# Altium PCB ToucanEyePCB.PcbDoc (part 2 of 5)
Units mil, origin at the board's own origin, x right, y up, seen from the top; angles counter-clockwise.
Board outline 2559.06 x 1181.1 mil, 6 copper layers (L1_Top Layer, L2_GND, L3_Signa1, L4_PWR/Signal2, L5_GND, L6_Bottom Layer), stack 35.685 mil thick; 187 components, 181 nets, 773 pads, 479 vias.
Unrouted connection lines stored in the file: 150.
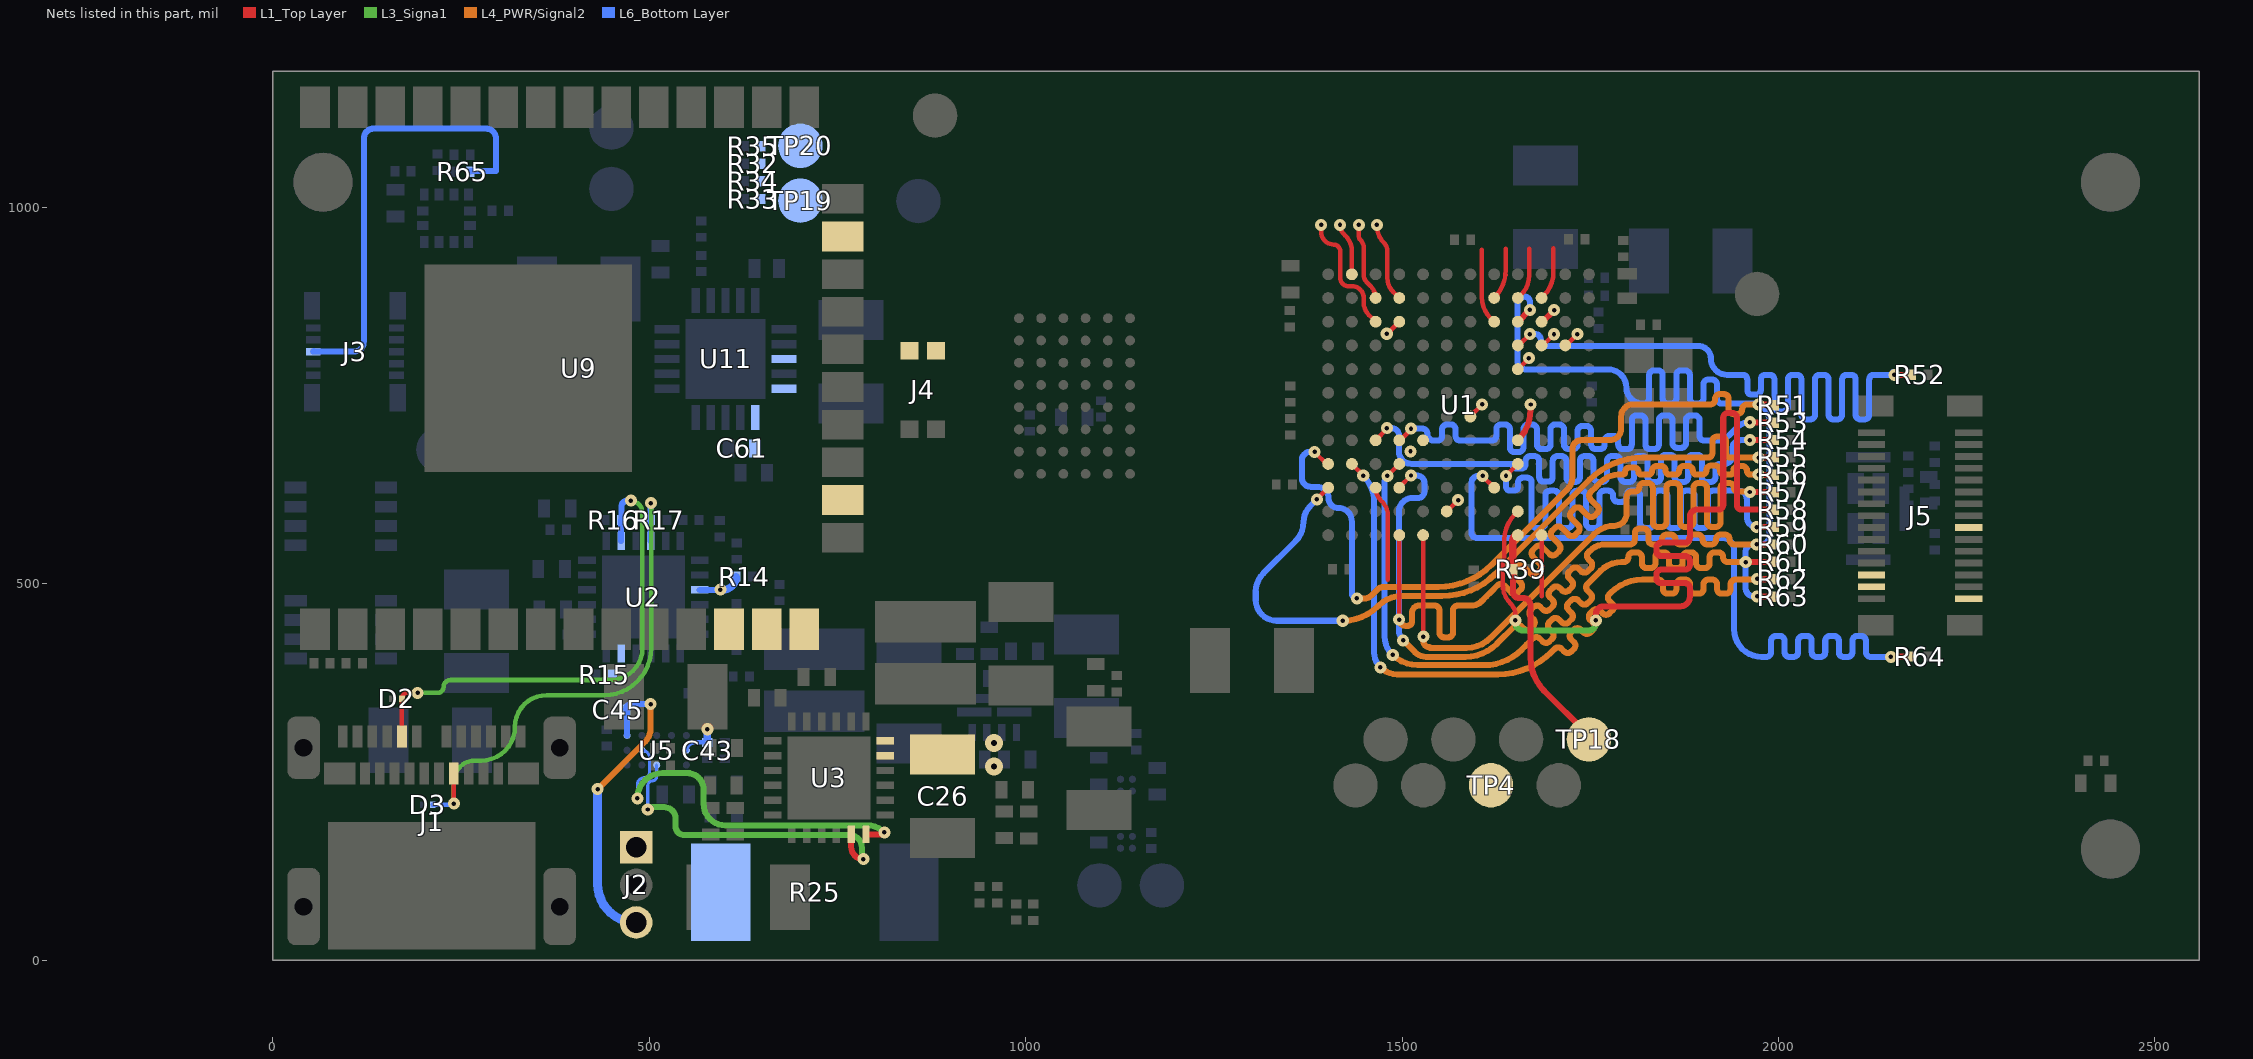
[diagram p6: the nets of this part, all layers, seen from the top]

## Part data (continued)
R5 R6 R8 R9 R10 R11 R12 R13 R14 R15 R30 R31 R36 R40 R41 R42 R43: "RESISTOR, 0201, 0.05W, 1%, 10K", Case/Package=0201, Case Code (Metric)=0603, Manufacturer="Panasonic ECG", Manufacturer Part Number=ERJ-1GNF1002C, Max Operating Temperature=125°C, Max Power Dissipation=50mW, Min Operating Temperature=-55°C, Package Quantity=15000, Resistance=10kR, Supplier Part Number 1=667-ERJ-1GNF1002C, Temperature Coefficient=200ppm/°C, Tolerance=1%, Voltage Rating=25V, *PCBChecked=1, *SCHChecked=1, Case Code (Imperial)=0201, ComponentLink1Description=https://datasheet.ciiva.com/16508/aoa0000ce2-16508478.pdf, ComponentLink1URL=https://datasheet.ciiva.com/16508/aoa0000ce2-16508478.pdf, ComponentLink2Description=https://datasheet.ciiva.com/28514/1678782-28514095.pdf, ComponentLink2URL=https://datasheet.ciiva.com/28514/1678782-28514095.pdf, ComponentLink3Description=https://datasheet.ciiva.com/28514/1678782-28514085.pdf, ComponentLink3URL=https://datasheet.ciiva.com/28514/1678782-28514085.pdf, ComponentLink4Description=https://datasheet.ciiva.com/43467/1678782-43467078.pdf, ComponentLink4URL=https://datasheet.ciiva.com/43467/1678782-43467078.pdf, Composition="Thick Film", Contact Plating=Tin,Matte, Depth=0.3mm, Height=0.01inch, Lead Free="Lead Free", Length=0.6mm, Military Standard=Not, Mount="Surface Mount", Number of Pins=2, Number of Terminations=2, Packaging="Tape and Reel", Power Rating=50mW, Pricing 1="1=0.49, 10=0.045, 50=0.045, 100=0.018, 1000=0.013, 10000=0.007 (USD)", Radiation Hardening=No, REACH SVHC=Unknown, Stock 1=896102, Supplier 1=Mouser, Voltage Rating (DC)=25V, Width=0.012inch
R7 R18 R19 R24: "RESISTOR, 0201, 0.05W, 1%, 1K", Case/Package=0201, Case Code (Metric)=0603, Manufacturer="Panasonic ECG", Manufacturer Part Number=ERJ-1GNF1001C, Max Operating Temperature=125°C, Max Power Dissipation=50mW, Min Operating Temperature=-55°C, Package Quantity=15000, Resistance=1kR, Supplier Part Number 1=667-ERJ-1GNF1001C, Temperature Coefficient=200ppm/°C, Tolerance=1%, Voltage Rating=25V, *PCBChecked=1, *SCHChecked=1, Case Code (Imperial)=0201, ComponentLink1Description=https://datasheet.ciiva.com/30263/aoa0000ce2-30263997.pdf, ComponentLink1URL=https://datasheet.ciiva.com/30263/aoa0000ce2-30263997.pdf, ComponentLink2Description=https://datasheet.ciiva.com/28532/1678782-28532076.pdf, ComponentLink2URL=https://datasheet.ciiva.com/28532/1678782-28532076.pdf, ComponentLink3Description=https://datasheet.ciiva.com/43467/1678782-43467054.pdf, ComponentLink3URL=https://datasheet.ciiva.com/43467/1678782-43467054.pdf, ComponentLink4Description=https://datasheet.ciiva.com/15821/erj1gn-15821006.pdf, ComponentLink4URL=https://datasheet.ciiva.com/15821/erj1gn-15821006.pdf, ComponentLink5Description=https://datasheet.ciiva.com/7942/aoa0000ce2-7942424.pdf, ComponentLink5URL=https://datasheet.ciiva.com/7942/aoa0000ce2-7942424.pdf, ComponentLink6Description=https://datasheet.ciiva.com/16437/aoa0000ce2-16437749.pdf, ComponentLink6URL=https://datasheet.ciiva.com/16437/aoa0000ce2-16437749.pdf, ComponentLink7Description=https://datasheet.ciiva.com/24160/aoa0000ce2-24160460.pdf, ComponentLink7URL=https://datasheet.ciiva.com/24160/aoa0000ce2-24160460.pdf, ComponentLink8Description=https://datasheet.ciiva.com/46375/1678782-46375611.pdf, ComponentLink8URL=https://datasheet.ciiva.com/46375/1678782-46375611.pdf, Composition="Thick Film", Contact Plating=Tin,Matte, Height=0.01inch, Lead Free="Lead Free", Length=0.6mm, Mount="Surface Mount", Number of Pins=2, Number of Terminations=2, Packaging="Tape and Reel", Power Rating=50mW, Pricing 1="1=0.43, 10=0.039, 50=0.039, 100=0.016, 1000=0.011, 10000=0.006 (USD)", Radiation Hardening=No, REACH SVHC=Unknown, Stock 1=193064, Supplier 1=Mouser, Termination=SMD/SMT, Voltage Rating (DC)=25V, Weight=6E-06oz, Width=0.012inch
R16 R17 R34 R35 R66: "RES SMD 0.0OHM JUMPER 1/20W 0201", Case/Package=0201, Case Code (Metric)=0603, Manufacturer=Panasonic, Manufacturer Part Number=ERJ-1GN0R00C, Max Operating Temperature=125°C, Min Operating Temperature=-55°C, Package Quantity=15000, Power Rating=50mW, Resistance=0R, Supplier Part Number 1=667-ERJ-1GN0R00C, Temperature Coefficient=600ppm/°C, Tolerance=1%, Voltage Rating=25V, *PCBChecked=1, *SCHChecked=1, Case Code (Imperial)=0201, ComponentLink1Description=https://datasheet.ciiva.com/22730/1678796-22730749.pdf, ComponentLink1URL=https://datasheet.ciiva.com/22730/1678796-22730749.pdf, Composition="Thick Film", Contact Plating=Tin, Depth=0.3mm, Height=0.23mm, Lead Free="Lead Free", Length=0.6mm, Military Standard=Not, Mount="Surface Mount", Packaging="Tape and Reel", Pricing 1="1=0.21, 10=0.02, 50=0.02, 100=0.008, 1000=0.005, 10000=0.003 (USD)", REACH SVHC=Unknown, Stock 1=835293, Supplier 1=Mouser, Voltage Rating (DC)=25V, Width=0.3mm
R22: "RESISTOR, THICK FILM, 0402, 1.8MOHM, 5%, 100mW", Case/Package=0402, Case Code (Metric)=1005, Manufacturer="Panasonic ECG", Manufacturer Part Number=ERJ-2GEJ185X, Max Operating Temperature=155°C, Max Power Dissipation=100mW, Min Operating Temperature=-55°C, Package Quantity=1, Resistance=1.8MR, Supplier Part Number 1=667-ERJ-2GEJ185X, Temperature Coefficient=150ppm/°C, Tolerance=5%, Voltage Rating=50V, *PCBChecked=1, *SCHChecked=1, Case Code (Imperial)=0402, ComponentLink1Description=https://datasheet.ciiva.com/8080/aoa0000ce1-8080140.pdf, ComponentLink1URL=https://datasheet.ciiva.com/8080/aoa0000ce1-8080140.pdf, ComponentLink2Description=https://datasheet.ciiva.com/9119/aoa0000ce1-9119071.pdf, ComponentLink2URL=https://datasheet.ciiva.com/9119/aoa0000ce1-9119071.pdf, ComponentLink3Description=https://datasheet.ciiva.com/9197/aoa0000ce1-9197631.pdf, ComponentLink3URL=https://datasheet.ciiva.com/9197/aoa0000ce1-9197631.pdf, ComponentLink4Description=https://datasheet.ciiva.com/30218/4aoa0000ce1-30218742.pdf, ComponentLink4URL=https://datasheet.ciiva.com/30218/4aoa0000ce1-30218742.pdf, ComponentLink5Description=https://datasheet.ciiva.com/43470/1678796-43470038.pdf, ComponentLink5URL=https://datasheet.ciiva.com/43470/1678796-43470038.pdf, ComponentLink6Description=https://datasheet.ciiva.com/46379/1678796-46379142.pdf, ComponentLink6URL=https://datasheet.ciiva.com/46379/1678796-46379142.pdf, Composition="Thick Film", Contact Plating=Tin, Depth=0.5mm, Height=0.016inch, Length=1mm, Military Standard=Not, Mount="Surface Mount", Number of Terminations=2, Packaging="Cut Tape", Power Rating=100mW, Pricing 1="1=0.1, 10=0.015, 50=0.015, 100=0.009, 1000=0.006, 10000=0.004 (USD)", Radiation Hardening=No, REACH SVHC="No SVHC", Stock 1=75539, Supplier 1=Mouser, Voltage Rating (DC)=50V, Width=0.02inch
R23: "RESISTOR, THICK FILM, 18.2KOHM, 100mW, ± 1%", Case/Package=0402, Case Code (Metric)=1005, Manufacturer="Panasonic ECG", Manufacturer Part Number=ERJ-2RKF1822X, Max Operating Temperature=155°C, Max Power Dissipation=100mW, Min Operating Temperature=-55°C, Package Quantity=1, Resistance=18.2kR, Supplier Part Number 1=667-ERJ-2RKF1822X, Temperature Coefficient=100ppm/°C, Tolerance=1%, Voltage Rating=50V, *PCBChecked=1, *SCHChecked=1, Case Code (Imperial)=0402, ComponentLink1Description=https://datasheet.ciiva.com/22682/1678782-22682442.pdf, ComponentLink1URL=https://datasheet.ciiva.com/22682/1678782-22682442.pdf, ComponentLink2Description=https://datasheet.ciiva.com/16765/70260748-16765144.pdf, ComponentLink2URL=https://datasheet.ciiva.com/16765/70260748-16765144.pdf, ComponentLink3Description=https://datasheet.ciiva.com/24026/aoa0000ce2-24026892.pdf, ComponentLink3URL=https://datasheet.ciiva.com/24026/aoa0000ce2-24026892.pdf, ComponentLink4Description=https://datasheet.ciiva.com/43467/1678782-43467421.pdf, ComponentLink4URL=https://datasheet.ciiva.com/43467/1678782-43467421.pdf, ComponentLink5Description=https://datasheet.ciiva.com/16785/70260748-16785165.pdf, ComponentLink5URL=https://datasheet.ciiva.com/16785/70260748-16785165.pdf, ComponentLink6Description=https://datasheet.ciiva.com/7829/1678782-7829303.pdf, ComponentLink6URL=https://datasheet.ciiva.com/7829/1678782-7829303.pdf, ComponentLink7Description=https://datasheet.ciiva.com/46373/1678782-46373814.pdf, ComponentLink7URL=https://datasheet.ciiva.com/46373/1678782-46373814.pdf, ComponentLink8Description=https://datasheet.ciiva.com/9192/aoa0000ce2-9192375.pdf, ComponentLink8URL=https://datasheet.ciiva.com/9192/aoa0000ce2-9192375.pdf, ComponentLink9Description=https://datasheet.ciiva.com/46373/1678782-46373815.pdf, ComponentLink9URL=https://datasheet.ciiva.com/46373/1678782-46373815.pdf, ComponentLink10Description=https://datasheet.ciiva.com/28531/1694929-28531495.pdf, ComponentLink10URL=https://datasheet.ciiva.com/28531/1694929-28531495.pdf, Composition="Thick Film", Contact Plating=Tin, Depth=0.5mm, Height=0.016inch, Lead Free="Lead Free", Length=1mm, Military Standard=Not, Mount="Surface Mount", Number of Terminations=2, Packaging="Tape and Reel", Power Rating=100mW, Pricing 1="1=0.15, 10=0.021, 50=0.021, 100=0.012, 1000=0.007, 10000=0.006 (USD)", REACH SVHC="No SVHC", Stock 1=120784, Supplier 1=Mouser, Termination=SMD/SMT, Voltage Rating (DC)=50V, Width=0.02inch
R25: "WALSIN         WW25RR010FTL             SMD Current Sense Resistor, 0.01 ohm, 2512 [6432 Metric], 2 W,  1%, WW25R Series", Case Code (Imperial)=2512, Case Code (Metric)=6432, Manufacturer="Walsin Technologies", Manufacturer Part Number=WW25RR010FTL, Power Rating=2W, Resistance=10mR, Temperature Coefficient=75ppm/°C, Tolerance=1%, *PCBChecked=1, *SCHChecked=1, ComponentLink1Description=http://www.farnell.com/datasheets/1960328.pdf, ComponentLink1URL=http://www.farnell.com/datasheets/1960328.pdf, Composition="Metal Strip", Packaging="Cut Tape", Pricing 1="5=0.2318, 25=0.2073, 100=0.1705, 1000=0.1582, 4000=0.1337 (USD)", REACH SVHC=Unknown, Stock 1=8495, Supplier 1=TME, Supplier Part Number 1=WW25RR010FTL
R26: "Res Thick Film 0402 274K Ohm 1% 0.1W(1/10W) ±100ppm/C Molded SMD Automotive Punched T/R", Case/Package=0402, Case Code (Metric)=1005, Manufacturer="Panasonic ECG", Manufacturer Part Number=ERJ-2RKF2743X, Max Operating Temperature=155°C, Max Power Dissipation=100mW, Min Operating Temperature=-55°C, Package Quantity=1, Resistance=274kR, Supplier Part Number 1=667-ERJ-2RKF2743X, Temperature Coefficient=100ppm/°C, Tolerance=1%, Voltage Rating=50V, Case Code (Imperial)=0402, ComponentLink1Description=https://datasheet.ciiva.com/16766/70260748-16766893.pdf, ComponentLink1URL=https://datasheet.ciiva.com/16766/70260748-16766893.pdf, ComponentLink2Description=https://datasheet.ciiva.com/7853/aoa0000ce2-7853692.pdf, ComponentLink2URL=https://datasheet.ciiva.com/7853/aoa0000ce2-7853692.pdf, ComponentLink3Description=https://datasheet.ciiva.com/43467/1678782-43467519.pdf, ComponentLink3URL=https://datasheet.ciiva.com/43467/1678782-43467519.pdf, ComponentLink4Description=https://datasheet.ciiva.com/24023/aoa0000ce2-24023838.pdf, ComponentLink4URL=https://datasheet.ciiva.com/24023/aoa0000ce2-24023838.pdf, ComponentLink5Description=https://datasheet.ciiva.com/30072/aoa0000ce2-30072587.pdf, ComponentLink5URL=https://datasheet.ciiva.com/30072/aoa0000ce2-30072587.pdf, ComponentLink6Description=https://datasheet.ciiva.com/46373/1678782-46373237.pdf, ComponentLink6URL=https://datasheet.ciiva.com/46373/1678782-46373237.pdf, ComponentLink7Description=https://datasheet.ciiva.com/16772/70260748-16772533.pdf, ComponentLink7URL=https://datasheet.ciiva.com/16772/70260748-16772533.pdf, ComponentLink8Description=https://datasheet.ciiva.com/9183/aoa0000ce2-9183531.pdf, ComponentLink8URL=https://datasheet.ciiva.com/9183/aoa0000ce2-9183531.pdf, ComponentLink9Description=https://datasheet.ciiva.com/22673/1678782-22673766.pdf, ComponentLink9URL=https://datasheet.ciiva.com/22673/1678782-22673766.pdf, Composition="Thick Film", Contact Plating=Tin, Depth=0.5mm, Height=0.35mm, Lead Free="Lead Free", Length=1mm, Military Standard=Not, Mount="Surface Mount", Number of Terminations=2, Packaging="Tape and Reel", Power Rating=100mW, Pricing 1="1=0.15, 10=0.021, 50=0.021, 100=0.012, 1000=0.007, 10000=0.006 (USD)", REACH SVHC="No SVHC", Stock 1=108759, Supplier 1=Mouser, Termination=SMD/SMT, Voltage Rating (DC)=50V, Width=0.02inch
R28: "Res Thick Film 0402 124 Ohm 1% 0.1W(1/10W) ±100ppm/C Molded SMD Automotive Punched T/R", Case/Package=0402, Case Code (Metric)=1005, Manufacturer="Panasonic ECG", Manufacturer Part Number=ERJ-2RKF1240X, Max Operating Temperature=155°C, Max Power Dissipation=100mW, Min Operating Temperature=-55°C, Package Quantity=1, Resistance=124R, Supplier Part Number 1=667-ERJ-2RKF1240X, Temperature Coefficient=100ppm/°C, Tolerance=1%, Voltage Rating=50V, *PCBChecked=1, *SCHChecked=1, Case Code (Imperial)=0402, ComponentLink1Description=https://datasheet.ciiva.com/22682/1678782-22682424.pdf, ComponentLink1URL=https://datasheet.ciiva.com/22682/1678782-22682424.pdf, ComponentLink2Description=https://datasheet.ciiva.com/7942/aoa0000ce2-7942344.pdf, ComponentLink2URL=https://datasheet.ciiva.com/7942/aoa0000ce2-7942344.pdf, ComponentLink3Description=https://datasheet.ciiva.com/43467/1678782-43467230.pdf, ComponentLink3URL=https://datasheet.ciiva.com/43467/1678782-43467230.pdf, ComponentLink4Description=https://datasheet.ciiva.com/16765/70260748-16765596.pdf, ComponentLink4URL=https://datasheet.ciiva.com/16765/70260748-16765596.pdf, ComponentLink5Description=https://datasheet.ciiva.com/46373/1678782-46373831.pdf, ComponentLink5URL=https://datasheet.ciiva.com/46373/1678782-46373831.pdf, ComponentLink6Description=https://datasheet.ciiva.com/46373/1678782-46373830.pdf, ComponentLink6URL=https://datasheet.ciiva.com/46373/1678782-46373830.pdf, ComponentLink7Description=https://datasheet.ciiva.com/9186/aoa0000ce2-9186053.pdf, ComponentLink7URL=https://datasheet.ciiva.com/9186/aoa0000ce2-9186053.pdf, ComponentLink8Description=https://datasheet.ciiva.com/30058/aoa0000ce2-30058295.pdf, ComponentLink8URL=https://datasheet.ciiva.com/30058/aoa0000ce2-30058295.pdf, ComponentLink9Description=https://datasheet.ciiva.com/16764/70260748-16764375.pdf, ComponentLink9URL=https://datasheet.ciiva.com/16764/70260748-16764375.pdf, Composition="Thick Film", Contact Plating=Tin, Depth=0.5mm, Height=0.35mm, Lead Free="Lead Free", Length=1mm, Military Standard=Not, Mount="Surface Mount", Number of Terminations=2, Packaging="Tape and Reel", Power Rating=100mW, Pricing 1="1=0.15, 10=0.021, 50=0.021, 100=0.012, 1000=0.007, 10000=0.006 (USD)", REACH SVHC=Unknown, Stock 1=58450, Supplier 1=Mouser, Termination=SMD/SMT, Voltage Rating (DC)=50V, Width=0.02inch
R37: "Thick Film Resistors - SMD 0201 88.7Kohm 1% Halogen Free", Case/Package=0201, Case Code (Metric)=0603, Manufacturer="Panasonic ECG", Manufacturer Part Number=ERJ-1GNF8872C, Max Operating Temperature=125°C, Max Power Dissipation=50mW, Min Operating Temperature=-55°C, Package Quantity=15000, Resistance=88.7kR, Supplier Part Number 1=667-ERJ-1GNF8872C, Temperature Coefficient=200ppm/°C, Tolerance=1%, Voltage Rating=25V, *PCBChecked=1, *SCHChecked=1, Case Code (Imperial)=0201, ComponentLink1Description=https://datasheet.ciiva.com/24026/aoa0000ce2-24026679.pdf, ComponentLink1URL=https://datasheet.ciiva.com/24026/aoa0000ce2-24026679.pdf, Composition="Thick Film", Contact Plating=Tin,Matte, Height=0.01inch, Length=0.024inch, Mount="Surface Mount", Number of Terminations=2, Packaging="Tape and Reel", Power Rating=50mW, Pricing 1="1=0.49, 10=0.045, 50=0.045, 100=0.018, 1000=0.013, 10000=0.007 (USD)", Radiation Hardening=No, Stock 1=34794, Supplier 1=Mouser, Width=0.3mm
R38: "Res Thick Film 0201 453K Ohm 1% 0.05W(1/20W) ±200ppm/C Molded SMD Paper T/R", Case/Package=0201, Case Code (Metric)=0603, Manufacturer=Yageo, Manufacturer Part Number=RC0201FR-07453KL, Max Operating Temperature=125°C, Max Power Dissipation=50mW, Min Operating Temperature=-55°C, Resistance=453kR, Supplier Part Number 1=603-RC0201FR-07453KL, Temperature Coefficient=200ppm/°C, Tolerance=1%, *PCBChecked=1, *SCHChecked=1, Case Code (Imperial)=0201, ComponentLink1Description=http://components.arrow.com/part/dataview/0323_03291826, ComponentLink1URL=http://components.arrow.com/part/dataview/0323_03291826, ComponentLink2Description=http://www.yageo.com.tw/exep/pages/download/literatures/PYu-R_INT-thick_7.pdf, ComponentLink2URL=http://www.yageo.com.tw/exep/pages/download/literatures/PYu-R_INT-thick_7.pdf, ComponentLink3Description=http://www.yageo.com/documents/recent/PYu-RC0201_51_RoHS_L_(8).pdf, ComponentLink3URL=http://www.yageo.com/documents/recent/PYu-RC0201_51_RoHS_L_(8).pdf, Composition="Thick Film", Depth=0.3mm, Height=0.01inch, Lead Free="Lead Free", Length=0.024inch, Military Standard=Not, Number of Terminations=2, Packaging="Tape and Reel", Power Rating=50mW, Pricing 1="1=0.1, 10=0.029, 50=0.029, 100=0.01, 1000=0.007, 10000=0.004 (USD)", Stock 1=21967, Supplier 1=Mouser, Width=0.012inch
R39: "RES SMD 100K OHM 5% 1/20W 0201", Case/Package=0201, Case Code (Metric)=0603, Manufacturer="Vishay Dale", Manufacturer Part Number=CRCW0201100KJN-ED, Max Operating Temperature=155°C, Max Power Dissipation=50mW, Min Operating Temperature=-55°C, Package Quantity=1, Resistance=100kR, Supplier Part Number 1=71-CRCW0201100KJNED, Temperature Coefficient=200ppm/°C, Tolerance=5%, Voltage Rating=30V, *PCBChecked=1, *SCHChecked=1, Case Code (Imperial)=0201, ComponentLink1Description=https://datasheet.ciiva.com/2498/crcw0201e3-2498781.pdf, ComponentLink1URL=https://datasheet.ciiva.com/2498/crcw0201e3-2498781.pdf, ComponentLink2Description=https://datasheet.ciiva.com/16436/dcrcwe3-16436221.pdf, ComponentLink2URL=https://datasheet.ciiva.com/16436/dcrcwe3-16436221.pdf, ComponentLink3Description=https://datasheet.ciiva.com/2498/crcw0201e3-2498779.pdf, ComponentLink3URL=https://datasheet.ciiva.com/2498/crcw0201e3-2498779.pdf, ComponentLink4Description=https://datasheet.ciiva.com/2498/crcw0201e3-2498780.pdf, ComponentLink4URL=https://datasheet.ciiva.com/2498/crcw0201e3-2498780.pdf, Composition="Thick Film", Contact Plating=Tin, Depth=0.3mm, Height=0.011inch, Lead Free="Lead Free", Length=0.6mm, Military Standard=Not, Number of Pins=2, Number of Terminations=2, Packaging="Tape and Reel", Power Rating=50mW, Pricing 1="1=0.13, 10=0.063, 50=0.063, 100=0.028, 1000=0.017, 10000=0.013 (USD)", Radiation Hardening=No, REACH SVHC=Unknown, Stock 1=126286, Supplier 1=Mouser, Voltage Rating (DC)=30V, Weight=6E-06oz, Width=0.3mm
R49: "RESISTOR, 0201, 0.05W, 1%, 100R", Case/Package=0201, Case Code (Metric)=0603, Manufacturer="Panasonic ECG", Manufacturer Part Number=ERJ-1GNF1000C, Max Operating Temperature=125°C, Max Power Dissipation=50mW, Min Operating Temperature=-55°C, Package Quantity=15000, Resistance=100R, Supplier Part Number 1=667-ERJ-1GNF1000C, Temperature Coefficient=200ppm/°C, Tolerance=1%, Voltage Rating=25V, Case Code (Imperial)=0201, ComponentLink1Description=https://datasheet.ciiva.com/28514/1678782-28514079.pdf, ComponentLink1URL=https://datasheet.ciiva.com/28514/1678782-28514079.pdf, ComponentLink2Description=https://datasheet.ciiva.com/24162/aoa0000ce2-24162875.pdf, ComponentLink2URL=https://datasheet.ciiva.com/24162/aoa0000ce2-24162875.pdf, ComponentLink3Description=https://datasheet.ciiva.com/43467/1678782-43467030.pdf, ComponentLink3URL=https://datasheet.ciiva.com/43467/1678782-43467030.pdf, Composition="Thick Film", Contact Plating=Tin,Matte, Depth=0.3mm, Height=0.01inch, Lead Free="Lead Free", Length=0.6mm, Military Standard=Not, Mount="Surface Mount", Number of Pins=2, Number of Terminations=2, Packaging="Tape and Reel", Power Rating=50mW, Pricing 1="1=0.49, 10=0.045, 50=0.045, 100=0.018, 1000=0.013, 10000=0.007 (USD)", Radiation Hardening=No, REACH SVHC="No SVHC", Stock 1=169245, Supplier 1=Mouser, Termination=SMD/SMT, Voltage Rating (DC)=25V, Weight=6E-06oz, Width=0.012inch
R51 R52 R53 R54 R55 R56 R57 R58 R59 R60 R61 R62 R63 R64: "RESISTOR, 0201, 0.05W, 1%, 22R", Case/Package=0201, Case Code (Metric)=0603, Manufacturer="Panasonic ECG", Manufacturer Part Number=ERJ-1GNF22R0C, Max Operating Temperature=125°C, Max Power Dissipation=50mW, Min Operating Temperature=-55°C, Package Quantity=15000, Resistance=22R, Supplier Part Number 1=667-ERJ-1GNF22R0C, Temperature Coefficient=200ppm/°C, Tolerance=1%, Voltage Rating=25V, *PCBChecked=1, *SCHChecked=1, Case Code (Imperial)=0201, ComponentLink1Description=https://datasheet.ciiva.com/22737/1678782-22737559.pdf, ComponentLink1URL=https://datasheet.ciiva.com/22737/1678782-22737559.pdf, ComponentLink2Description=https://datasheet.ciiva.com/24023/aoa0000ce2-24023549.pdf, ComponentLink2URL=https://datasheet.ciiva.com/24023/aoa0000ce2-24023549.pdf, ComponentLink3Description=https://datasheet.ciiva.com/46375/1678782-46375727.pdf, ComponentLink3URL=https://datasheet.ciiva.com/46375/1678782-46375727.pdf, ComponentLink4Description=https://datasheet.ciiva.com/22737/1678782-22737558.pdf, ComponentLink4URL=https://datasheet.ciiva.com/22737/1678782-22737558.pdf, ComponentLink5Description=https://datasheet.ciiva.com/43467/1678782-43467014.pdf, ComponentLink5URL=https://datasheet.ciiva.com/43467/1678782-43467014.pdf, ComponentLink6Description=https://datasheet.ciiva.com/7909/aoa0000ce2-7909159.pdf, ComponentLink6URL=https://datasheet.ciiva.com/7909/aoa0000ce2-7909159.pdf, Composition="Thick Film", Height=0.01inch, Length=0.6mm, Mount="Surface Mount", Number of Pins=2, Number of Terminations=2, Packaging="Tape and Reel", Power Rating=50mW, Pricing 1="1=0.49, 10=0.045, 50=0.045, 100=0.018, 1000=0.013, 10000=0.007 (USD)", Radiation Hardening=No, REACH SVHC="No SVHC", Stock 1=64894, Supplier 1=Mouser, Voltage Rating (DC)=25V, Width=0.012inch
U2: Manufacturer=STMicroelectronics, Supplier Part Number 1=511-STUSB1602AQTR, *PCBChecked=1, *SCHChecked=1, Manufacturer Part Number=STUSB1602AQTR, Pricing 1="1=2.21, 10=1.88, 50=1.88, 100=1.5, 1000=1.09, 10000=0.976 (USD)", Stock 1=495, Supplier 1=Mouser
U3: "IC BATT CHARGER LI-ION 24VQFN", Case/Package=VQFN, Manufacturer="Texas Instruments", Max Operating Temperature=85°C, Max Output Current=4A, Max Output Voltage=4.2V, Max Supply Voltage=10.5V, Min Operating Temperature=-40°C, Min Supply Voltage=4.35V, Operating Supply Current=2A, Output Voltage=4.44V, Package Quantity=250, Supplier Part Number 1=595-BQ24250RGET, Switching Frequency=3kHz, ComponentLink1Description=https://datasheet.ciiva.com/18617/bq24250-18617532.pdf, ComponentLink1URL=https://datasheet.ciiva.com/18617/bq24250-18617532.pdf, ComponentLink2Description=https://datasheet.ciiva.com/30017/bq24250-30017517.pdf, ComponentLink2URL=https://datasheet.ciiva.com/30017/bq24250-30017517.pdf, ComponentLink3Description=https://datasheet.ciiva.com/18617/bq24250-18617531.pdf, ComponentLink3URL=https://datasheet.ciiva.com/18617/bq24250-18617531.pdf, ComponentLink4Description=https://datasheet.ciiva.com/30017/bq24250-30017529.pdf, ComponentLink4URL=https://datasheet.ciiva.com/30017/bq24250-30017529.pdf, ComponentLink5Description=https://datasheet.ciiva.com/18617/bq24250-18617530.pdf, ComponentLink5URL=https://datasheet.ciiva.com/18617/bq24250-18617530.pdf, Contact Plating=Nickel,Gold, Height=0.95mm, Lead Free="Lead Free", Length=4.15mm, Manufacturer Part Number=BQ24250RGET, Mount="Surface Mount", Number of Cells=1, Number of Pins=24, Output Current=2A, Packaging="Tape and Reel", Pricing 1="1=3.35, 10=3.02, 50=3.02, 100=2.47, 1000=1.78, 10000=1.69 (USD)", Radiation Hardening=No, Stock 1=3414, Supplier 1=Mouser, Width=4.15mm
U4: "TEXAS INSTRUMENTS         TPS62097RWKT             DC-DC Switching Buck (Step Down) Regulator, Adj., 2.5V-6Vin, 800mV-6V/2A out, 2.5 MHz, VQFN-11", Manufacturer="Texas Instruments", Max Input Voltage=6V, Max Operating Temperature=125°C, Min Input Voltage=2.5V, Min Operating Temperature=-40°C, Min Output Voltage=800mV, Output Current=2A, Quiescent Current=40uA, Supplier Part Number 1=595-TPS62097RWKT, Switching Frequency=2.5MHz, *PCBChecked=1, *SCHChecked=1, ComponentLink1Description=http://www.ti.com/general/docs/lit/getliterature.tsp?genericPartNumber=TPS62097&&fileType=pdf, ComponentLink1URL=http://www.ti.com/general/docs/lit/getliterature.tsp?genericPartNumber=TPS62097&&fileType=pdf, ComponentLink2Description=http://www.ti.com/lit/gpn/tps62097, ComponentLink2URL=http://www.ti.com/lit/gpn/tps62097, ComponentLink3Description=http://www.ti.com/lit/ds/symlink/tps62097.pdf, ComponentLink3URL=http://www.ti.com/lit/ds/symlink/tps62097.pdf, Lead Free="Lead Free", Manufacturer Part Number=TPS62097RWKT, Max Output Voltage=6V, Mount="Surface Mount", Number of Outputs=1, Number of Pins=11, Output Voltage=6V, Packaging="Cut Tape", Pricing 1="1=2.21, 10=1.88, 50=1.88, 100=1.5, 1000=1.09, 10000=0.974 (USD)", REACH SVHC="No SVHC", Stock 1=2062, Supplier 1=Mouser, Synchronous Rectifier=Yes
U5: "TEXAS INSTRUMENTS         BQ27532YZFT-G1             BATT GAS GAUGE & CTRL, LI-ION, DSBGA-15", Capacity=14500mAh, Manufacturer="Texas Instruments", Max Operating Temperature=85°C, Max Supply Voltage=4.5V, Min Operating Temperature=-40°C, Min Supply Voltage=2.8V, Operating Supply Current=118uA, Output Voltage=2.6V, Package Quantity=250, Supplier Part Number 1=595-BQ27532YZFT-G1, *PCBChecked=1, *SCHChecked=1, ComponentLink1Description=http://www.ti.com/lit/ds/symlink/bq27532-g1.pdf, ComponentLink1URL=http://www.ti.com/lit/ds/symlink/bq27532-g1.pdf, ComponentLink2Description=http://www.ti.com/general/docs/lit/getliterature.tsp?genericPartNumber=BQ27532-G1&&fileType=pdf, ComponentLink2URL=http://www.ti.com/general/docs/lit/getliterature.tsp?genericPartNumber=BQ27532-G1&&fileType=pdf, ComponentLink3Description=http://www.ti.com/general/docs/lit/getliterature.tsp?genericPartNumber=BQ27532-G1&amp;&amp;fileType=pdf, ComponentLink3URL=http://www.ti.com/general/docs/lit/getliterature.tsp?genericPartNumber=BQ27532-G1&amp;&amp;fileType=pdf, ComponentLink4Description=http://www.ti.com/lit/gpn/bq27532-g1, ComponentLink4URL=http://www.ti.com/lit/gpn/bq27532-g1, Contact Plating=Copper,Tin,Silver, Interface=I2C, Lead Free="Lead Free", Manufacturer Part Number=BQ27532YZFT-G1, Mount="Surface Mount", Number of Cells=1, Number of Pins=15, Packaging="Tape and Reel", Pricing 1="1=3.26, 10=2.93, 50=2.93, 100=2.4, 1000=1.73, 10000=1.58 (USD)", REACH SVHC="No SVHC", Stock 1=455, Supplier 1=Mouser
U6: Dropout Voltage=220mV, Manufacturer="Texas Instruments", Max Operating Temperature=125°C, Min Operating Temperature=-40°C, Quiescent Current=30uA, Supplier Part Number 1=595-TLV70533PYFPR, *SCHChecked=1, Lead Free="Lead Free", Manufacturer Part Number=TLV70533PYFPR, Pricing 1="1=0.54, 10=0.445, 50=0.445, 100=0.271, 1000=0.21, 10000=0.167 (USD)", Stock 1=2718, Supplier 1=Mouser
U7: "TVS DIODE 5.25VWM 17VC SOT666", Breakdown Voltage=6V, Capacitance=3.5pF, Case/Package=SOT-666, Clamping Voltage=17V, Leakage Current=150nA, Manufacturer=STMicroelectronics, Max Operating Temperature=125°C, Min Operating Temperature=-40°C, Operating Supply Voltage=5V, Package Quantity=1, Peak Pulse Current=5A, Power Line Protection=Yes, Supplier Part Number 1=511-USBLC6-2P6, Test Current=1mA, *PCBChecked=1, *SCHChecked=1, ComponentLink1Description=https://datasheet.ciiva.com/15143/getdatasheetpartid-98673-15143462.pdf, ComponentLink1URL=https://datasheet.ciiva.com/15143/getdatasheetpartid-98673-15143462.pdf, ComponentLink2Description=https://datasheet.ciiva.com/14186/usblc6-2-st-eng-tds-14186568.pdf, ComponentLink2URL=https://datasheet.ciiva.com/14186/usblc6-2-st-eng-tds-14186568.pdf, ComponentLink3Description=https://datasheet.ciiva.com/16378/cd00050750-16378714.pdf, ComponentLink3URL=https://datasheet.ciiva.com/16378/cd00050750-16378714.pdf, ComponentLink4Description=https://datasheet.ciiva.com/4508/cd00050750-4508892.pdf, ComponentLink4URL=https://datasheet.ciiva.com/4508/cd00050750-4508892.pdf, ComponentLink5Description=https://datasheet.ciiva.com/22685/1690354-22685832.pdf, ComponentLink5URL=https://datasheet.ciiva.com/22685/1690354-22685832.pdf, ComponentLink6Description=https://datasheet.ciiva.com/22692/1690354-22692453.pdf, ComponentLink6URL=https://datasheet.ciiva.com/22692/1690354-22692453.pdf, ComponentLink7Description=https://datasheet.ciiva.com/41444/001184108-da-01-en-ic-esd-protection-usblc6-2p6-sot-666-stm-41444134.pdf, ComponentLink7URL=https://datasheet.ciiva.com/41444/001184108-da-01-en-ic-esd-protection-usblc6-2p6-sot-666-stm-41444134.pdf, Contact Plating=Tin,Matte, Depth=1.3mm, Direction=Unidirectional,Bidirectional, Element Configuration=Dual, ESD Protection=Yes, Height=0.6mm, Lead Free="Lead Free", Length=1.7mm, Manufacturer Part Number=USBLC6-2P6, Max Breakdown Voltage=6V, Max Reverse Leakage Current=150nA, Min Breakdown Voltage=6V, Mount="Surface Mount", Number of Bidirectional Channels=2, Number of Channels=2, Number of Elements=1, Number of Pins=6, Packaging="Tape and Reel", Polarity=Unidirectional,Bidirectional, Pricing 1="1=0.49, 10=0.405, 50=0.405, 100=0.247, 1000=0.191, 10000=0.152 (USD)", Radiation Hardening=No, REACH SVHC="No SVHC", Reverse Breakdown Voltage=6V, Reverse Standoff Voltage=5V, Stock 1=6872, Supplier 1=Mouser, Termination=SMD/SMT, Width=1.3mm, Working Voltage=5V
U8: "PSRAM Async 64M-Bit 4M x 16 70ns 48-Pin TFBGA", Case/Package=TFBGA, Manufacturer=ISSI, Max Operating Temperature=85°C, Min Operating Temperature=-40°C, Supplier Part Number 1=870-66E4M16EBLL70BLI, *PCBChecked=1, *SCHChecked=1, Address Bus Width=22b, ComponentLink1Description=http://www.mouser.com/ds/2/198/66-67WVE4M16EALL-BLL-CLL-462616.pdf, ComponentLink1URL=http://www.mouser.com/ds/2/198/66-67WVE4M16EALL-BLL-CLL-462616.pdf, ComponentLink2Description=http://www.issi.com/WW/pdf/66-67WVE4M16EALL-BLL-CLL.pdf, ComponentLink2URL=http://www.issi.com/WW/pdf/66-67WVE4M16EALL-BLL-CLL.pdf, Density=64Mb, Manufacturer Part Number=IS66WVE4M16EBLL-70BLI, Number of Ports=1, Pricing 1="1=4.47, 10=3.94, 50=3.94, 100=3.53, 1000=3.01, 10000=2.85 (USD)", Stock 1=3544, Supplier 1=Mouser
U10: "MIC MEMS DIGITAL PDM OMNI -26DB", Manufacturer=STMicroelectronics, Max Operating Temperature=85°C, Max Supply Voltage=3.6V, Min Operating Temperature=-40°C, Min Supply Voltage=1.64V, Operating Supply Current=600uA, Operating Supply Voltage=1.8V, Package Quantity=4000, Supplier Part Number 1=511-MP34DT01TR, *PCBChecked=1, *SCHChecked=1, ComponentLink1Description=https://datasheet.ciiva.com/15098/getdatasheetpartid-495516-15098984.pdf, ComponentLink1URL=https://datasheet.ciiva.com/15098/getdatasheetpartid-495516-15098984.pdf, ComponentLink2Description=https://datasheet.ciiva.com/5300/dm00039779-100783-5300131.pdf, ComponentLink2URL=https://datasheet.ciiva.com/5300/dm00039779-100783-5300131.pdf, ComponentLink3Description=https://datasheet.ciiva.com/1/dm00039779-1998.pdf, ComponentLink3URL=https://datasheet.ciiva.com/1/dm00039779-1998.pdf, ComponentLink4Description=https://datasheet.ciiva.com/1/dm00039779-1997.pdf, ComponentLink4URL=https://datasheet.ciiva.com/1/dm00039779-1997.pdf, ComponentLink5Description=https://datasheet.ciiva.com/1/dm00039779-1996.pdf, ComponentLink5URL=https://datasheet.ciiva.com/1/dm00039779-1996.pdf, Contact Plating=Nickel,Gold, Depth=1mm, Direction=Omnidirectional, Height=1.1mm, Lead Free="Lead Free", Length=4mm, Manufacturer Part Number=MP34DT01TR, Number of Channels=2, Output Type=Digital, Packaging="Tape and Reel", Pricing 1="1=1.48, 10=1.25, 50=1.25, 100=1, 1000=0.725, 10000=0.625 (USD)", Shape=Rectangular, Signal to Noise Ratio (SNR)=63dB, Stock 1=10769, Supplier 1=Mouser, Termination=SMD/SMT, Voltage Rating=3.6V, Width=3mm